# Altium PCB Mixed_Signal_Board_PCB.PcbDoc (part 2 of 4)
Units mm, origin at the board's own origin, x right, y up, seen from the top; angles counter-clockwise.
Board outline 144 x 107 mm, 4 copper layers (Top, PWR, GND, Bottom), stack 1.514 mm thick; 243 components, 208 nets, 912 pads, 526 vias.
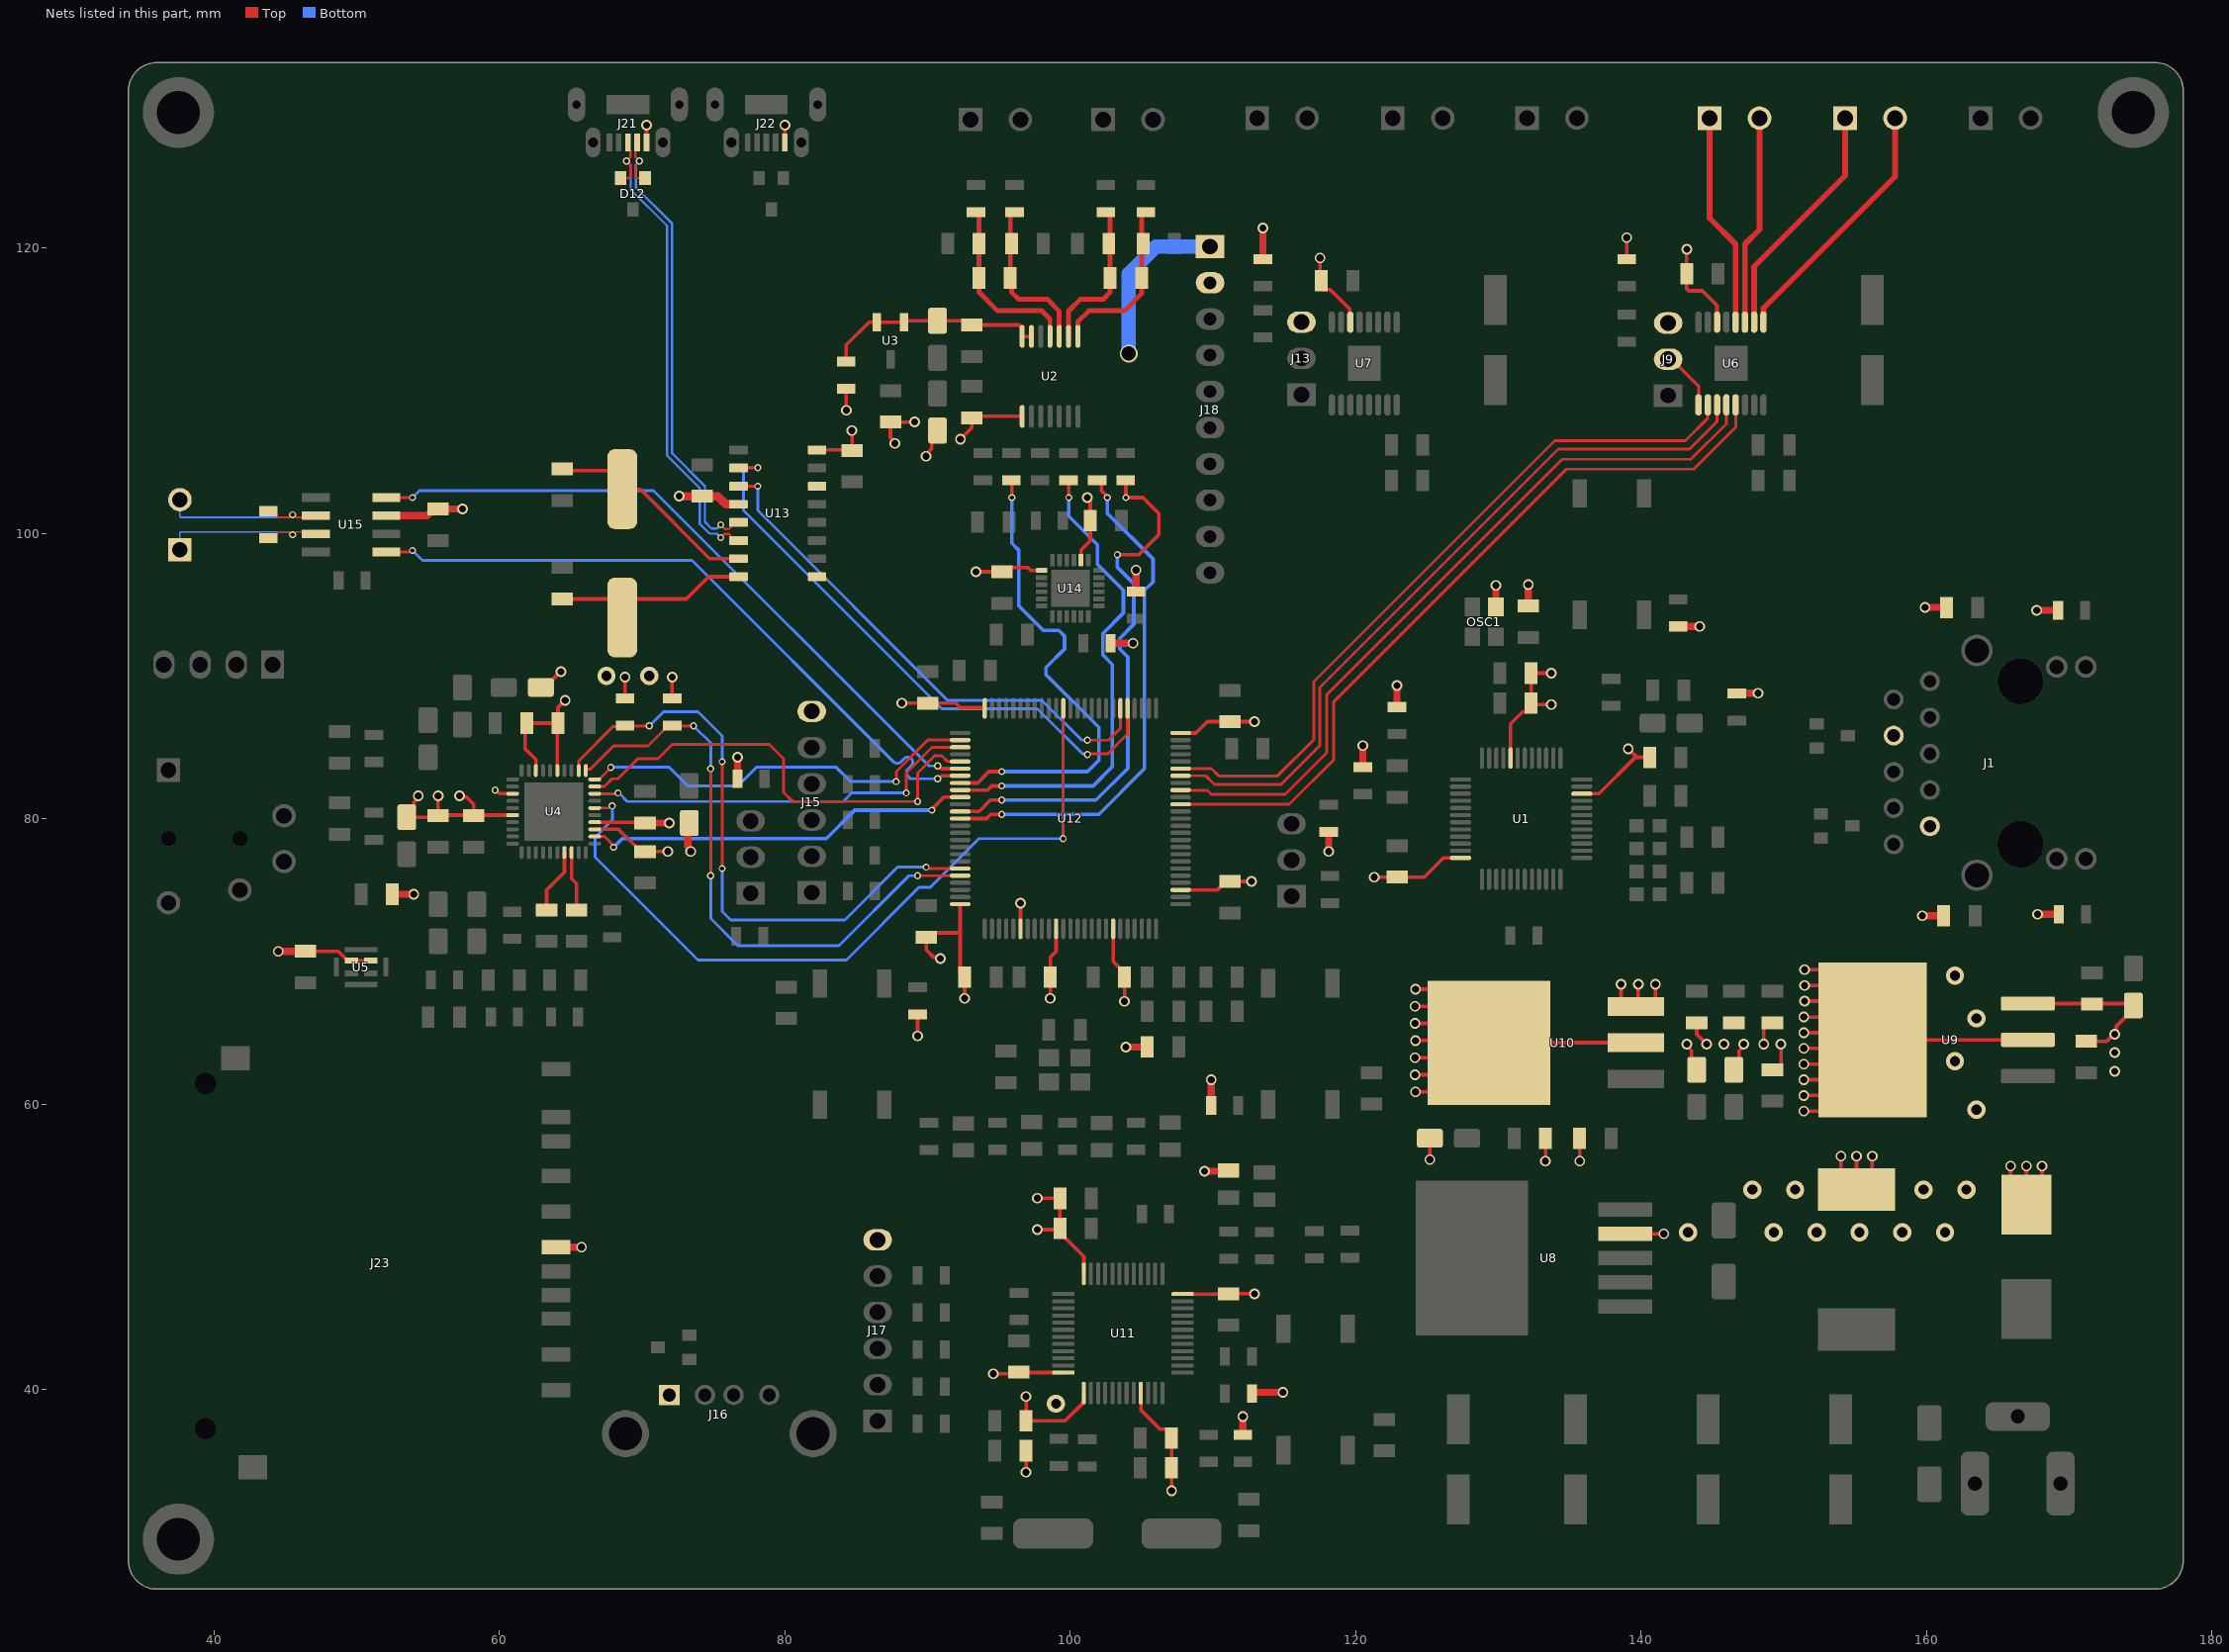
[diagram p4: the nets of this part, all layers, seen from the top]

## Part data (continued)
C43 C44: "陶瓷电容 150pF(151) 150pF ±5% 50V C0G(NP0) 0805", Capacitance=150pF, Case Code (Metric)=2012, Case Code (Imperial)=0805, Dielectric=NP0, Dielectric Material=Ceramic, Manufacturer=KEMET, Manufacturer Part Number=C0805C151J5GACTU, Max Operating Temperature=125°C, Min Operating Temperature=-55°C, Package Quantity=1, Supplier Part Number 1=399-C0805C151J5GAC7800CT-ND, Temperature Coefficient=30ppm/°C, Tolerance=5%, Voltage=50V, Case/Package=0805, Category="Ceramic Capacitors", ComponentLink1Description=https://datasheet.ciiva.com/7842/1776095-7842215.pdf?src-supplier=Element14, ComponentLink1URL=https://datasheet.ciiva.com/7842/1776095-7842215.pdf?src-supplier=Element14, ComponentLink2Description=https://datasheet.ciiva.com/144/docfinderpartnumber-c0805c151j5gactu-144656.pdf?src-supplier=Digi-Key, ComponentLink2URL=https://datasheet.ciiva.com/144/docfinderpartnumber-c0805c151j5gactu-144656.pdf?src-supplier=Digi-Key, ComponentLink3Description=https://datasheet.ciiva.com/7842/1372242-7842559.pdf?src-supplier=Element14, ComponentLink3URL=https://datasheet.ciiva.com/7842/1372242-7842559.pdf?src-supplier=Element14, ComponentLink4Description=https://datasheet.ciiva.com/28668/1789732-28668745.pdf?src-supplier=Element14, ComponentLink4URL=https://datasheet.ciiva.com/28668/1789732-28668745.pdf?src-supplier=Element14, ComponentLink5Description=https://datasheet.ciiva.com/14604/70095383-14604153.pdf?src-supplier=Allied+Electronics, ComponentLink5URL=https://datasheet.ciiva.com/14604/70095383-14604153.pdf?src-supplier=Allied+Electronics, ComponentLink6Description=https://datasheet.ciiva.com/14597/70095383-14597037.pdf?src-supplier=Allied+Electronics, ComponentLink6URL=https://datasheet.ciiva.com/14597/70095383-14597037.pdf?src-supplier=Allied+Electronics, ComponentLink7Description=https://datasheet.ciiva.com/2988/kem-c1003-c0g-smd-2988611.pdf?src-supplier=Avnet, ComponentLink7URL=https://datasheet.ciiva.com/2988/kem-c1003-c0g-smd-2988611.pdf?src-supplier=Avnet, ComponentLink8Description=https://datasheet.ciiva.com/2988/kem-c1003-c0g-smd-2988612.pdf?src-supplier=Avnet, ComponentLink8URL=https://datasheet.ciiva.com/2988/kem-c1003-c0g-smd-2988612.pdf?src-supplier=Avnet, Construction=Flat, Contact Material=Tin, Depth=1.25mm, Dissipation Factor=0.1%, Height=0.78mm, Lead Free="Lead Free", Lead Pitch=0.75mm, Length=2mm, Mount="Surface Mount,PCB", Number of Pins=2, Packaging="Tape and Reel", Pricing 1="1=0,10000, 10=0,06800, 50=0,03700, 100=0,03020, 500=0,02156, 1000=0,01694 (USD)", Radiation Hardening=No, REACH SVHC="No SVHC", RoHS=Yes, RoHS Compliant=Yes, Series=C, Stock 1=90347, Supplier 1=Digi-Key, Termination=SMD/SMT, Thickness=0.035inch, Voltage Rating=50V, Voltage Rating (DC)=50V, Width=0.049inch
C47 C51 C55 C56 C57 C58: "CAP.EL.100uF 25V 6.3x7.7 105C 5000HRS SMD", Capacitance=100uF, Manufacturer=SAMYOUNG, Manufacturer Part Number=BLA25VC100MF80TP, Ripple Current=230mA, Tolerance=20%, Voltage Rating=25V, Category="Aluminum Electrolytic Capacitors"
C50 C54: "Cap Ceramic 0.47uF 25V X7R 10% SMD 0805 125°C Embossed Plastic T/R", Capacitance=470nF, Case Code (Metric)=2012, Case Code (Imperial)=0805, Dielectric=X7R, Manufacturer=Samsung, Manufacturer Part Number=CL21B474KAFNNNG, Max Operating Temperature=125°C, Min Operating Temperature=-55°C, Package Quantity=3000, Supplier Part Number 1=1276-6480-1-ND, Tolerance=10%, Voltage=25V, Case/Package=0805, Category="Ceramic Capacitors", ComponentLink1Description=https://datasheet.ciiva.com/25733/cl21b474kafnnng-25733031.pdf?src-supplier=Digi-Key, ComponentLink1URL=https://datasheet.ciiva.com/25733/cl21b474kafnnng-25733031.pdf?src-supplier=Digi-Key, ComponentLink2Description=https://datasheet.ciiva.com/29200/453685-da-01-en-vs-kondensator-0805-29200035.pdf?src-supplier=Conrad, ComponentLink2URL=https://datasheet.ciiva.com/29200/453685-da-01-en-vs-kondensator-0805-29200035.pdf?src-supplier=Conrad, ComponentLink3Description=https://datasheet.ciiva.com/29200/453672-da-01-en-vs-kondensator-0805-29200028.pdf?src-supplier=Conrad, ComponentLink3URL=https://datasheet.ciiva.com/29200/453672-da-01-en-vs-kondensator-0805-29200028.pdf?src-supplier=Conrad, Depth=1.25mm, Height=1.25mm, Lead Free="Lead Free", Length=2mm, Material=Ceramic, Mount="Surface Mount", Packaging="Tape and Reel", Pricing 1="1=0,10000, 10=0,05100, 50=0,02800, 100=0,02290, 500=0,01632, 1000=0,01283 (USD)", RoHS=Yes, RoHS Compliant=Yes, Series=CL, Stock 1=869119, Supplier 1=Digi-Key, Thickness=0.053inch, Voltage Rating=25V, Width=0.049inch
C59: "CAP.EL.330uF 25V 8x10 105C 5000Hrs SMD AECQ-200", Capacitance=330uF, Manufacturer=SAMYOUNG, Manufacturer Part Number=BLA25VC100MF80TP, Ripple Current=600mA, Tolerance=20%, Voltage Rating=25V, Category="Aluminum Electrolytic Capacitors"
C72 C83: "Cap 4.7UF 25VDC X7R 10% SMD 0805 Embossed Tape", Capacitance=4.7uF, Manufacturer=Murata, Manufacturer Part Number=GRM21BZ71E475KE15L, Supplier Part Number 1=490-GRM21BZ71E475KE15LCT-ND, Category="Ceramic Capacitors", Pricing 1="1=0,35000, 10=0,24300, 50=0,16980, 100=0,14550, 500=0,10914, 1000=0,09217 (USD)", RoHS=Yes, RoHS Compliant=Yes, Stock 1=16381, Supplier 1=Digi-Key
C80 C82: "CAP CER 20PF 50V C0G/NP0 0805", Capacitance=20pF, Case Code (Metric)=2012, Case Code (Imperial)=0805, Dielectric=C0G, Manufacturer=Samsung, Manufacturer Part Number=CL21C200JBANNNC, Max Operating Temperature=125°C, Min Operating Temperature=-55°C, Package Quantity=1, Supplier Part Number 1=1276-1829-1-ND, Temperature Coefficient=300ppm/°C, Tolerance=5%, Voltage=50V, Case/Package=0805, Category="Ceramic Capacitors", ComponentLink1Description=https://datasheet.ciiva.com/16428/cl21c200jbannnc-16428913.pdf?src-supplier=Future+Electronics, ComponentLink1URL=https://datasheet.ciiva.com/16428/cl21c200jbannnc-16428913.pdf?src-supplier=Future+Electronics, Construction=Flat, Depth=1.25mm, Height=0.65mm, Length=2mm, Mount="Surface Mount", Packaging="Tape and Reel", Pricing 1="1=0,10000, 10=0,04700, 50=0,02540, 100=0,02080, 500=0,01484, 1000=0,01166 (USD)", Radiation Hardening=No, RoHS=Yes, RoHS Compliant=Yes, Series=CL, Stock 1=11381, Supplier 1=Digi-Key, Thickness=0.03inch, Voltage Rating=50V, Width=0.049inch
C94 C96: "Surface Mount Ceramic Multilayer Capacitor 10pF 10% C0G 50V 0805 Paper T/R", Capacitance=10pF, Manufacturer=Yageo, Manufacturer Part Number=CC0805KRNPO9BN100, Supplier Part Number 1=13-CC0805KRNPO9BN100CT-ND, Category="Ceramic Capacitors", Pricing 1="1=0,12000, 10=0,08800, 50=0,04980, 100=0,04130, 500=0,02898, 1000=0,02400 (USD)", RoHS=Yes, RoHS Compliant=Yes, Stock 1=35719, Supplier 1=Digi-Key
C98 C99: library part CAP_2.2uF_%10_25V_0805_X5R_CER, "CAP CER 2.2UF 25V X5R 0805", Case Code (Metric)=2012, Case Code (Imperial)=0805, Dielectric=X5R, Manufacturer=Samsung, Manufacturer Part Number=CL21A225KAFNNNE, Max Operating Temperature=85°C, Min Operating Temperature=-55°C, Package Quantity=1, Supplier Part Number 1=1276-1763-1-ND, Tolerance=10%, Voltage Rating=25V, Capacitance=2.2uF, Case/Package=0805, Category="Ceramic Capacitors", ComponentLink1Description=https://datasheet.ciiva.com/25798/cl21a225kafnnne-25798496.pdf?src-supplier=Digi-Key, ComponentLink1URL=https://datasheet.ciiva.com/25798/cl21a225kafnnne-25798496.pdf?src-supplier=Digi-Key, ComponentLink2Description=https://datasheet.ciiva.com/16425/samsung20passive20cl21a225kafnnne-16425804.pdf?src-supplier=Future+Electronics, ComponentLink2URL=https://datasheet.ciiva.com/16425/samsung20passive20cl21a225kafnnne-16425804.pdf?src-supplier=Future+Electronics, ComponentLink3Description=https://datasheet.ciiva.com/26838/getdatasheetpartid-745307-26838602.pdf?src-supplier=Verical, ComponentLink3URL=https://datasheet.ciiva.com/26838/getdatasheetpartid-745307-26838602.pdf?src-supplier=Verical, Construction=Flat, Depth=1.25mm, Height=1.25mm, Length=2mm, Mount="Surface Mount", Packaging="Tape and Reel", Pricing 1="1=0,13000, 10=0,09300, 50=0,05280, 100=0,04380, 500=0,03070, 1000=0,02541 (USD)", Radiation Hardening=No, RoHS=Yes, RoHS Compliant=Yes, Series=CL, Stock 1=282255, Supplier 1=Digi-Key, Thickness=0.053inch, Width=0.049inch
C102 C103: "0805 30 pF 50 V ±5% Tolerance C0G/NP0 Surface Mount Multilayer Ceramic Capacitor", Capacitance=30pF, Case Code (Metric)=2012, Case Code (Imperial)=0805, Dielectric=C0G, Manufacturer="Kyocera AVX", Manufacturer Part Number=08055A300JAT2A, Max Operating Temperature=125°C, Min Operating Temperature=-55°C, Package Quantity=4000, Supplier Part Number 1=478-12776-1-ND, Tolerance=5%, Voltage Rating=50V, Insulation Resistance=100GR, Case/Package=0805, Category="Ceramic Capacitors", ComponentLink1Description=https://datasheet.ciiva.com/26904/getdatasheetpartid-55917-26904215.pdf?src-supplier=Verical, ComponentLink1URL=https://datasheet.ciiva.com/26904/getdatasheetpartid-55917-26904215.pdf?src-supplier=Verical, ComponentLink2Description=https://datasheet.ciiva.com/204/ccog-204694.pdf?src-supplier=Digi-Key, ComponentLink2URL=https://datasheet.ciiva.com/204/ccog-204694.pdf?src-supplier=Digi-Key, ComponentLink3Description=https://datasheet.ciiva.com/5413/ccog-243403-5413334.pdf?src-supplier=Mouser, ComponentLink3URL=https://datasheet.ciiva.com/5413/ccog-243403-5413334.pdf?src-supplier=Mouser, ComponentLink4Description=https://datasheet.ciiva.com/16201/ccog-16201638.pdf?src-supplier=Future+Electronics, ComponentLink4URL=https://datasheet.ciiva.com/16201/ccog-16201638.pdf?src-supplier=Future+Electronics, ComponentLink5Description=https://datasheet.ciiva.com/11545/ccog-11545755.pdf?src-supplier=Avnet, ComponentLink5URL=https://datasheet.ciiva.com/11545/ccog-11545755.pdf?src-supplier=Avnet, Construction=Flat, Contact Plating=Tin,Matte, Depth=1.25mm, Dissipation Factor=10%, Height=0.94mm, Lead Free="Lead Free", Length=2.01mm, Mount="Surface Mount", Number of Pins=2, Packaging="Tape and Reel", Pricing 1="1=0,15000, 10=0,10700, 50=0,06060, 100=0,05020, 500=0,03522, 1000=0,02916 (USD)", Radiation Hardening=No, RoHS=Yes, RoHS Compliant=Yes, Series=-, Stock 1=89499, Supplier 1=Digi-Key, Termination=SMD/SMT, Thickness=0.037inch, Voltage Rating (DC)=50V, Width=0.049inch
C106: "贴片陶瓷电容  2.2nF ±10% 50V X7R 0805", Capacitance=2.2nF, Case Code (Metric)=2012, Case Code (Imperial)=0805, Dielectric=X7R, Manufacturer=Samsung, Manufacturer Part Number=CL21B222KBANNNC, Max Operating Temperature=125°C, Min Operating Temperature=-55°C, Package Quantity=1, Supplier Part Number 1=1276-1171-1-ND, Tolerance=10%, Voltage=50V, Case/Package=0805, Category="Ceramic Capacitors", ComponentLink1Description=https://datasheet.ciiva.com/25802/cl21b222kbannnc-25802100.pdf?src-supplier=Digi-Key, ComponentLink1URL=https://datasheet.ciiva.com/25802/cl21b222kbannnc-25802100.pdf?src-supplier=Digi-Key, ComponentLink2Description=https://datasheet.ciiva.com/26838/getdatasheetpartid-640852-26838689.pdf?src-supplier=Verical, ComponentLink2URL=https://datasheet.ciiva.com/26838/getdatasheetpartid-640852-26838689.pdf?src-supplier=Verical, ComponentLink3Description=https://datasheet.ciiva.com/29199/455716-da-01-en-vs-kondensator-0805-29199282.pdf?src-supplier=Conrad, ComponentLink3URL=https://datasheet.ciiva.com/29199/455716-da-01-en-vs-kondensator-0805-29199282.pdf?src-supplier=Conrad, ComponentLink4Description=https://datasheet.ciiva.com/16199/cl05b104kq5nnnc-16199209.pdf?src-supplier=Future+Electronics, ComponentLink4URL=https://datasheet.ciiva.com/16199/cl05b104kq5nnnc-16199209.pdf?src-supplier=Future+Electronics, Construction=Flat, Contact Plating=Tin, Depth=1.25mm, Height=0.65mm, Length=2mm, Material=Ceramic, Mount="Surface Mount", Packaging="Tape and Reel", Pricing 1="1=0,10000, 10=0,04600, 50=0,02480, 100=0,02030, 500=0,01452, 1000=0,01140 (USD)", Radiation Hardening=No, RoHS=Yes, RoHS Compliant=Yes, Series=CL, Stock 1=162831, Supplier 1=Digi-Key, Thickness=0.03inch, Voltage Rating=50V, Width=0.049inch
D1 D2 D7 D12 D13: "ESD Suppressor TVS Uni-Dir 3.3V 3-Pin SOT-23 T/R", Case/Package=TO-236-3, Clamping Voltage=7.5V, Manufacturer=MCC, Manufacturer Part Number=ESD3V3AP-TP, Max Operating Temperature=150°C, Min Breakdown Voltage=5V, Min Operating Temperature=-55°C, Peak Pulse Current=13.3A, Peak Pulse Power=300W, Power Line Protection=No, Resistor Type=Zener, Reverse Standoff Voltage=3.3V, Supplier Part Number 1=ESD3V3AP-TPMSCT-ND, Category="TVS Diodes", ComponentLink1Description=http://www.mccsemi.com/up_pdf/ESD3V3AP(SOT-23).pdf?src-supplier=Digi-Key, ComponentLink1URL=http://www.mccsemi.com/up_pdf/ESD3V3AP(SOT-23).pdf?src-supplier=Digi-Key, ComponentLink2Description=https://www.mccsemi.com/pdf/Products/ESD3V3AP(SOT-23).pdf?src-supplier=Digi-Key, ComponentLink2URL=https://www.mccsemi.com/pdf/Products/ESD3V3AP(SOT-23).pdf?src-supplier=Digi-Key, Mount="Surface Mount", Number of Unidirectional Channels=2, Packaging="Tape and Reel", Pricing 1="1=0,35000, 10=0,26400, 100=0,14950, 500=0,09900, 1000=0,07590 (USD)", RoHS=Yes, RoHS Compliant=Yes, Stock 1=509, Supplier 1=Digi-Key
D3: library part DIODE_SCHOTTKY_30V_3A_DO214AC/SMA_SMT, "Schottky-diode 3A 30V 1F", Case/Package=SMA, Manufacturer=Shindengen, Supplier Part Number 1=627-D1FH35053, Category=Uncategorized, ComponentLink1Description=https://datasheet.ciiva.com/13080/j532-d1fh3-30122-13080653.pdf?src-supplier=Mouser, ComponentLink1URL=https://datasheet.ciiva.com/13080/j532-d1fh3-30122-13080653.pdf?src-supplier=Mouser, Manufacturer Part Number=D1FH3/5053, Packaging="Tape and Reel", RoHS=Yes, Supplier 1=Mouser
D4: "DIODE SCHOTTKY 3A 60V DO-214AC SMA", Average Rectified Current=3A, Case/Package=SMA, Manufacturer Part Number=SS36-JQ, Max Repetitive Reverse Voltage (Vrrm)=60V
D5 D10: library part "LED_RED CLEAR_2SMD/0805", "Led Red Clear 2SMD", Case/Package=0805, Forward Voltage=2V, Lens Color=Colorless, Manufacturer=Everlight, Manufacturer Part Number=EAST2012RA1, Supplier Part Number 1=1080-EAST2012RA1CT-ND, Test Current=20mA, Category=LEDs, Color=Red, ComponentLink1Description=http://www.mouser.com/ds/2/143/EAST2012RA1-707412.pdf?src-supplier=Mouser, ComponentLink1URL=http://www.mouser.com/ds/2/143/EAST2012RA1-707412.pdf?src-supplier=Mouser, ComponentLink2Description=https://everlightamericas.com/index.php?controller=attachment&id_attachment=1047&src-supplier=Digi-Key, ComponentLink2URL=https://everlightamericas.com/index.php?controller=attachment&id_attachment=1047&src-supplier=Digi-Key, Dominant Wavelength=626nm, Height=1mm, Length=2mm, Lens Transparency=Clear, Luminous Intensity=79mcd, Mount="Surface Mount", Packaging="Tape and Reel", Pricing 1="1=0,23000, 10=0,12300, 100=0,05840, 500=0,04996, 1000=0,03842 (USD)", RoHS Compliant=Yes, Stock 1=154, Supplier 1=Digi-Key, Viewing Angle=120°, Width=1.25mm
D6 D9: library part "LED_GREEN CLEAR_2SMD/0805", "Led Green Clear 2SMD", Case/Package=0805, Forward Voltage=3.4V, Lens Color=Colorless, Manufacturer=Everlight, Manufacturer Part Number=EAST2012GA5, Supplier Part Number 1=1080-EAST2012GA5CT-ND, Test Current=20mA, Category=LEDs, Color=Green, ComponentLink1Description=http://www.mouser.com/ds/2/143/EAST2012GA5-707028.pdf?src-supplier=Mouser, ComponentLink1URL=http://www.mouser.com/ds/2/143/EAST2012GA5-707028.pdf?src-supplier=Mouser, ComponentLink2Description=https://everlightamericas.com/index.php?controller=attachment&id_attachment=1042&src-supplier=Digi-Key, ComponentLink2URL=https://everlightamericas.com/index.php?controller=attachment&id_attachment=1042&src-supplier=Digi-Key, Dominant Wavelength=523nm, Height=1mm, Length=2mm, Lens Transparency=Clear, Luminous Intensity=315mcd, Mount="Surface Mount", Packaging="Tape and Reel", Pricing 1="1=0,44000, 10=0,29000, 100=0,19380, 500=0,13406, 1000=0,11172 (USD)", RoHS Compliant=Yes, Stock 1=15531, Supplier 1=Digi-Key, Viewing Angle=140°, Width=1.25mm
D8: library part "LED_BLUE CLEAR_2SMD/0805", "Blue 0805 140° 112 mcd Clear 3.3 V Surface Mount LED", Case/Package=0805, Forward Voltage=3.3V, Lens Color=Colorless, Manufacturer=Everlight, Manufacturer Part Number=EAST2012BA2, Supplier Part Number 1=EAST2012BA2-ND, Test Current=20mA, Category=LEDs, Color=Blue, ComponentLink1Description=http://www.mouser.com/ds/2/143/EAST2012BA2-707392.pdf?src-supplier=Mouser, ComponentLink1URL=http://www.mouser.com/ds/2/143/EAST2012BA2-707392.pdf?src-supplier=Mouser, ComponentLink2Description=https://everlightamericas.com/index.php?controller=attachment&id_attachment=1036&src-supplier=Digi-Key, ComponentLink2URL=https://everlightamericas.com/index.php?controller=attachment&id_attachment=1036&src-supplier=Digi-Key, Dominant Wavelength=471nm, Height=1.1mm, Lead Free="Lead Free", Length=2mm, Lens Transparency=Clear, Luminous Intensity=79mcd, Mount="Surface Mount", Packaging="Tape and Reel", Pricing 1="9000=0,05724 (USD)", RoHS=Yes, RoHS Compliant=Yes, Supplier 1=Digi-Key, Viewing Angle=140°, Width=1.25mm
D11: library part "LED_YELLOW CLEAR_2SMD/0805", "Led Yellow Clear 2SMD", Case/Package=0805, Forward Voltage=2.05V, Lens Color=Colorless, Manufacturer=Everlight, Manufacturer Part Number=EAST2012YA2, Supplier Part Number 1=1080-EAST2012YA2CT-ND, Test Current=20mA, Category=LEDs, Color=Yellow, ComponentLink1Description=http://www.mouser.com/ds/2/143/EAST2012YA2-708101.pdf?src-supplier=Mouser, ComponentLink1URL=http://www.mouser.com/ds/2/143/EAST2012YA2-708101.pdf?src-supplier=Mouser, ComponentLink2Description=https://everlightamericas.com/index.php?controller=attachment&id_attachment=1054&src-supplier=Digi-Key, ComponentLink2URL=https://everlightamericas.com/index.php?controller=attachment&id_attachment=1054&src-supplier=Digi-Key, Dominant Wavelength=589nm, Height=1.1mm, Length=2mm, Lens Transparency=Clear, Luminous Intensity=85mcd, Mount="Surface Mount", Packaging="Tape and Reel", Pricing 1="1=0,29000, 10=0,22600, 100=0,10150, 500=0,09172, 1000=0,07533 (USD)", RoHS=Yes, RoHS Compliant=Yes, Stock 1=9683, Supplier 1=Digi-Key, Viewing Angle=140°, Width=1.25mm
FB1: "0805 330Ω ±25% DCR=0.07Ω 1.5A 应用：电源线", Case Code (Metric)=2012, Case Code (Imperial)=0805, Current Rating=1.5A, DC Resistance (DCR)=70mR, Manufacturer=Murata, Manufacturer Part Number=BLM21PG331SN1D, Max Operating Temperature=125°C, Min Operating Temperature=-55°C, Package Quantity=1, Resistance=90mR, Supplier Part Number 1=490-5988-1-ND, Test Frequency=100MHz, Tolerance=25%, Case/Package=0805, Category="Ferrite Beads and Chips", ComponentLink1Description=https://datasheet.ciiva.com/19460/1845347-19460239.pdf?src-supplier=Jameco, ComponentLink1URL=https://datasheet.ciiva.com/19460/1845347-19460239.pdf?src-supplier=Jameco, ComponentLink2Description=https://datasheet.ciiva.com/11799/0900766b81275e31-11799231.pdf?src-supplier=RSComponents, ComponentLink2URL=https://datasheet.ciiva.com/11799/0900766b81275e31-11799231.pdf?src-supplier=RSComponents, ComponentLink3Description=https://datasheet.ciiva.com/14122/anblm21p-data-e-14122215.pdf?src-supplier=Distrelec, ComponentLink3URL=https://datasheet.ciiva.com/14122/anblm21p-data-e-14122215.pdf?src-supplier=Distrelec, ComponentLink4Description=https://datasheet.ciiva.com/6211/l0110s0100blm21p-6211753.pdf?src-supplier=Digi-Key, ComponentLink4URL=https://datasheet.ciiva.com/6211/l0110s0100blm21p-6211753.pdf?src-supplier=Digi-Key, ComponentLink5Description=https://datasheet.ciiva.com/6211/l0110s0100blm21p-6211749.pdf?src-supplier=Digi-Key, ComponentLink5URL=https://datasheet.ciiva.com/6211/l0110s0100blm21p-6211749.pdf?src-supplier=Digi-Key, ComponentLink6Description=https://datasheet.ciiva.com/6211/l0110s0100blm21p-6211754.pdf?src-supplier=Digi-Key, ComponentLink6URL=https://datasheet.ciiva.com/6211/l0110s0100blm21p-6211754.pdf?src-supplier=Digi-Key, ComponentLink7Description=https://datasheet.ciiva.com/3081/l0110s0100blm21p-3081659.pdf?src-supplier=Avnet, ComponentLink7URL=https://datasheet.ciiva.com/3081/l0110s0100blm21p-3081659.pdf?src-supplier=Avnet, ComponentLink8Description=https://datasheet.ciiva.com/41449/001172367-da-01-en-drossel-0805-330r-2-0x1-25mm-4000st-41449610.pdf?src-supplier=Conrad, ComponentLink8URL=https://datasheet.ciiva.com/41449/001172367-da-01-en-drossel-0805-330r-2-0x1-25mm-4000st-41449610.pdf?src-supplier=Conrad, Core Material=Ferrite, DC Current=1.5A, Depth=1.25mm, Height=0.85mm, Lead Free="Lead Free", Length=2mm, Material=Steel,Ferrite, Max Current Rating=1.5A, Max DC Current=1.5A, Number of Circuits=1, Number of Lines=1, Number of Pins=2, Packaging="Tape and Reel", Pricing 1="1=0,13000, 10=0,10300, 25=0,09320, 50=0,06820, 100=0,05890, 250=0,04652, 500=0,03930, 1000=0,03309 (USD)", Radiation Hardening=No, REACH SVHC="No SVHC", RoHS=Yes, RoHS Compliant=Yes, Series=BLM21P, Shielding=Unshielded, Stock 1=511995, Supplier 1=Digi-Key, Termination=SMD/SMT, Width=1.25mm, Impedance=330R
J1: library part "CONN_RJ-45_JACK_1PORT 100 BASE-T PoE_w/LED", "Conn RJ-45 F 8 POS 1.27mm Solder RA Thru-Hole 14 Terminal 1 Port Tray", Color=Green,Yellow, Manufacturer=Abracon, Max Operating Temperature=85°C, Min Operating Temperature=-40°C, Supplier Part Number 1=535-14168-ND, Category="Modular / Ethernet Connectors", Connector Type=RJ45, Contact Plating=Gold, Direction=Up, Manufacturer Part Number=ARJM11C7-114-BA-EW2, Mount="Through Hole", Number of Cores per Jack=4, Number of Ports=1, Number of Rows=1, Packaging=Tray, Pricing 1="1=3,29000, 10=2,98300, 25=2,82560, 40=2,76000, 100=2,62850, 300=2,29993, 500=2,23420, 1000=1,90565, 2400=1,77423 (USD)", RoHS=Yes, RoHS Compliant=Yes, Shielding=Shielded, Stock 1=66, Supplier 1=Digi-Key, Termination=Solder
J2 J3 J6 J7 J8 J10 J11 J12 J24: "Series 1377 - 5.00 mm Horizontal Entry with Pressure Clamp WR-TBL, 2 pin", Color=Green, Current=16A, Manufacturer="Wurth Electronics", Manufacturer Part Number=691137710002, Max Operating Temperature=120°C, Min Operating Temperature=-30°C, Supplier Part Number 1=732-10955-ND, Voltage=300V, Category="Terminal Blocks", ComponentLink1Description=https://katalog.we-online.de/em/datasheet/691137710002.pdf?src-supplier=Digi-Key, ComponentLink1URL=https://katalog.we-online.de/em/datasheet/691137710002.pdf?src-supplier=Digi-Key, Housing Material=PC, Mount="Through Hole", Number of Levels=1, Number of Positions Per Level=2, Packaging=Bulk, Plating="Copper Alloy", Pricing 1="1=0,39000, 10=0,35200, 50=0,31100, 100=0,27900, 500=0,26900 (USD)", RoHS=No, Stock 1=10587, Supplier 1=Digi-Key, Termination=Screw, Wire Gauge (Max)=30AWG, Wire Gauge (Min)=12AWG
J4: library part CONN_JACK_4COND_3.5MM_R/A, "Conn 3.5MM Audio Jack RCP 5 POS RA Thru-Hole 5 Terminal 1 Port", Manufacturer="CUI Devices", Supplier Part Number 1=CP-43515TS-ND, Category="Audio / Video Connectors", Manufacturer Part Number=SJ-43515TS, Pricing 1="1=1,04000, 10=0,87500, 25=0,83880, 40=0,82100, 80=0,78538, 270=0,71400, 540=0,64259, 1080=0,57120, 2430=0,51765 (USD)", RoHS=Yes, Stock 1=36318, Supplier 1=Digi-Key
J5: "Connector Header Through Hole 4 position 0.100\" (2.54mm)", Color=Black, Manufacturer=Sullins, Manufacturer Part Number=PREC004SAAN-RC, Package Quantity=1, Supplier Part Number 1=S1012EC-04-ND, Category=Connectors, ComponentLink1Description=https://datasheet.ciiva.com/740/zrzczzzszzn-rc-st-11635-b-740841.pdf?src-supplier=Digi-Key, ComponentLink1URL=https://datasheet.ciiva.com/740/zrzczzzszzn-rc-st-11635-b-740841.pdf?src-supplier=Digi-Key, Connector Type="Male Pin", Contact Mating Length=0.23inch, Contact Plating=Tin, Contact Type="Male Pin", Mount="Through Hole", Number of Positions=4, Number of Rows=1, Packaging=Bulk, Pitch=0.1inch, Pricing 1="1=0,12000, 10=0,11200, 25=0,08320, 50=0,07120, 100=0,06890, 250=0,05940, 500=0,05702 (USD)", RoHS=Yes, RoHS Compliant=Yes, Series=-, Stock 1=2512, Supplier 1=Digi-Key, Termination=Solder
J9 J13 J19 J20: "Conn Header Vert 3POS 2.54MM", Color=Black, Manufacturer=Sullins, Manufacturer Part Number=PREC003SAAN-RC, Package Quantity=1, Supplier Part Number 1=S1012EC-03-ND, Category=Connectors, ComponentLink1Description=https://datasheet.ciiva.com/740/zrzczzzszzn-rc-st-11635-b-740842.pdf?src-supplier=Digi-Key, ComponentLink1URL=https://datasheet.ciiva.com/740/zrzczzzszzn-rc-st-11635-b-740842.pdf?src-supplier=Digi-Key, Connector Type="Male Pin", Contact Mating Length=0.23inch, Contact Plating=Tin, Contact Type="Male Pin", Mount="Through Hole", Number of Positions=3, Number of Rows=1, Packaging=Bulk, Pitch=0.1inch, Pricing 1="1=0,09000, 10=0,08400, 25=0,06240, 50=0,05340, 100=0,05170, 250=0,04456, 500=0,04276 (USD)", RoHS=Yes, RoHS Compliant=Yes, Series=-, Stock 1=15048, Supplier 1=Digi-Key, Termination=Solder
J14: "DCJ200 Series 20 V 5 A Horizontal PCB Mount Jack Power Jack", Current Rating=5A, Manufacturer="Global Connector Technology", Manufacturer Part Number=DCJ200-10-A-K1-K, Supplier Part Number 1=2073-DCJ200-10-A-K1-K-ND, Voltage Rating=20V, ComponentLink1Description=http://www.farnell.com/datasheets/2342921.pdf?src-supplier=Farnell, ComponentLink1URL=http://www.farnell.com/datasheets/2342921.pdf?src-supplier=Farnell, Gender=Male, RoHS=Yes, Supplier 1=Digi-Key, Termination="Through Hole", Voltage Rating (DC)=20V